# Altium PCB MB1635.PcbDoc (part 2 of 10) (continued)
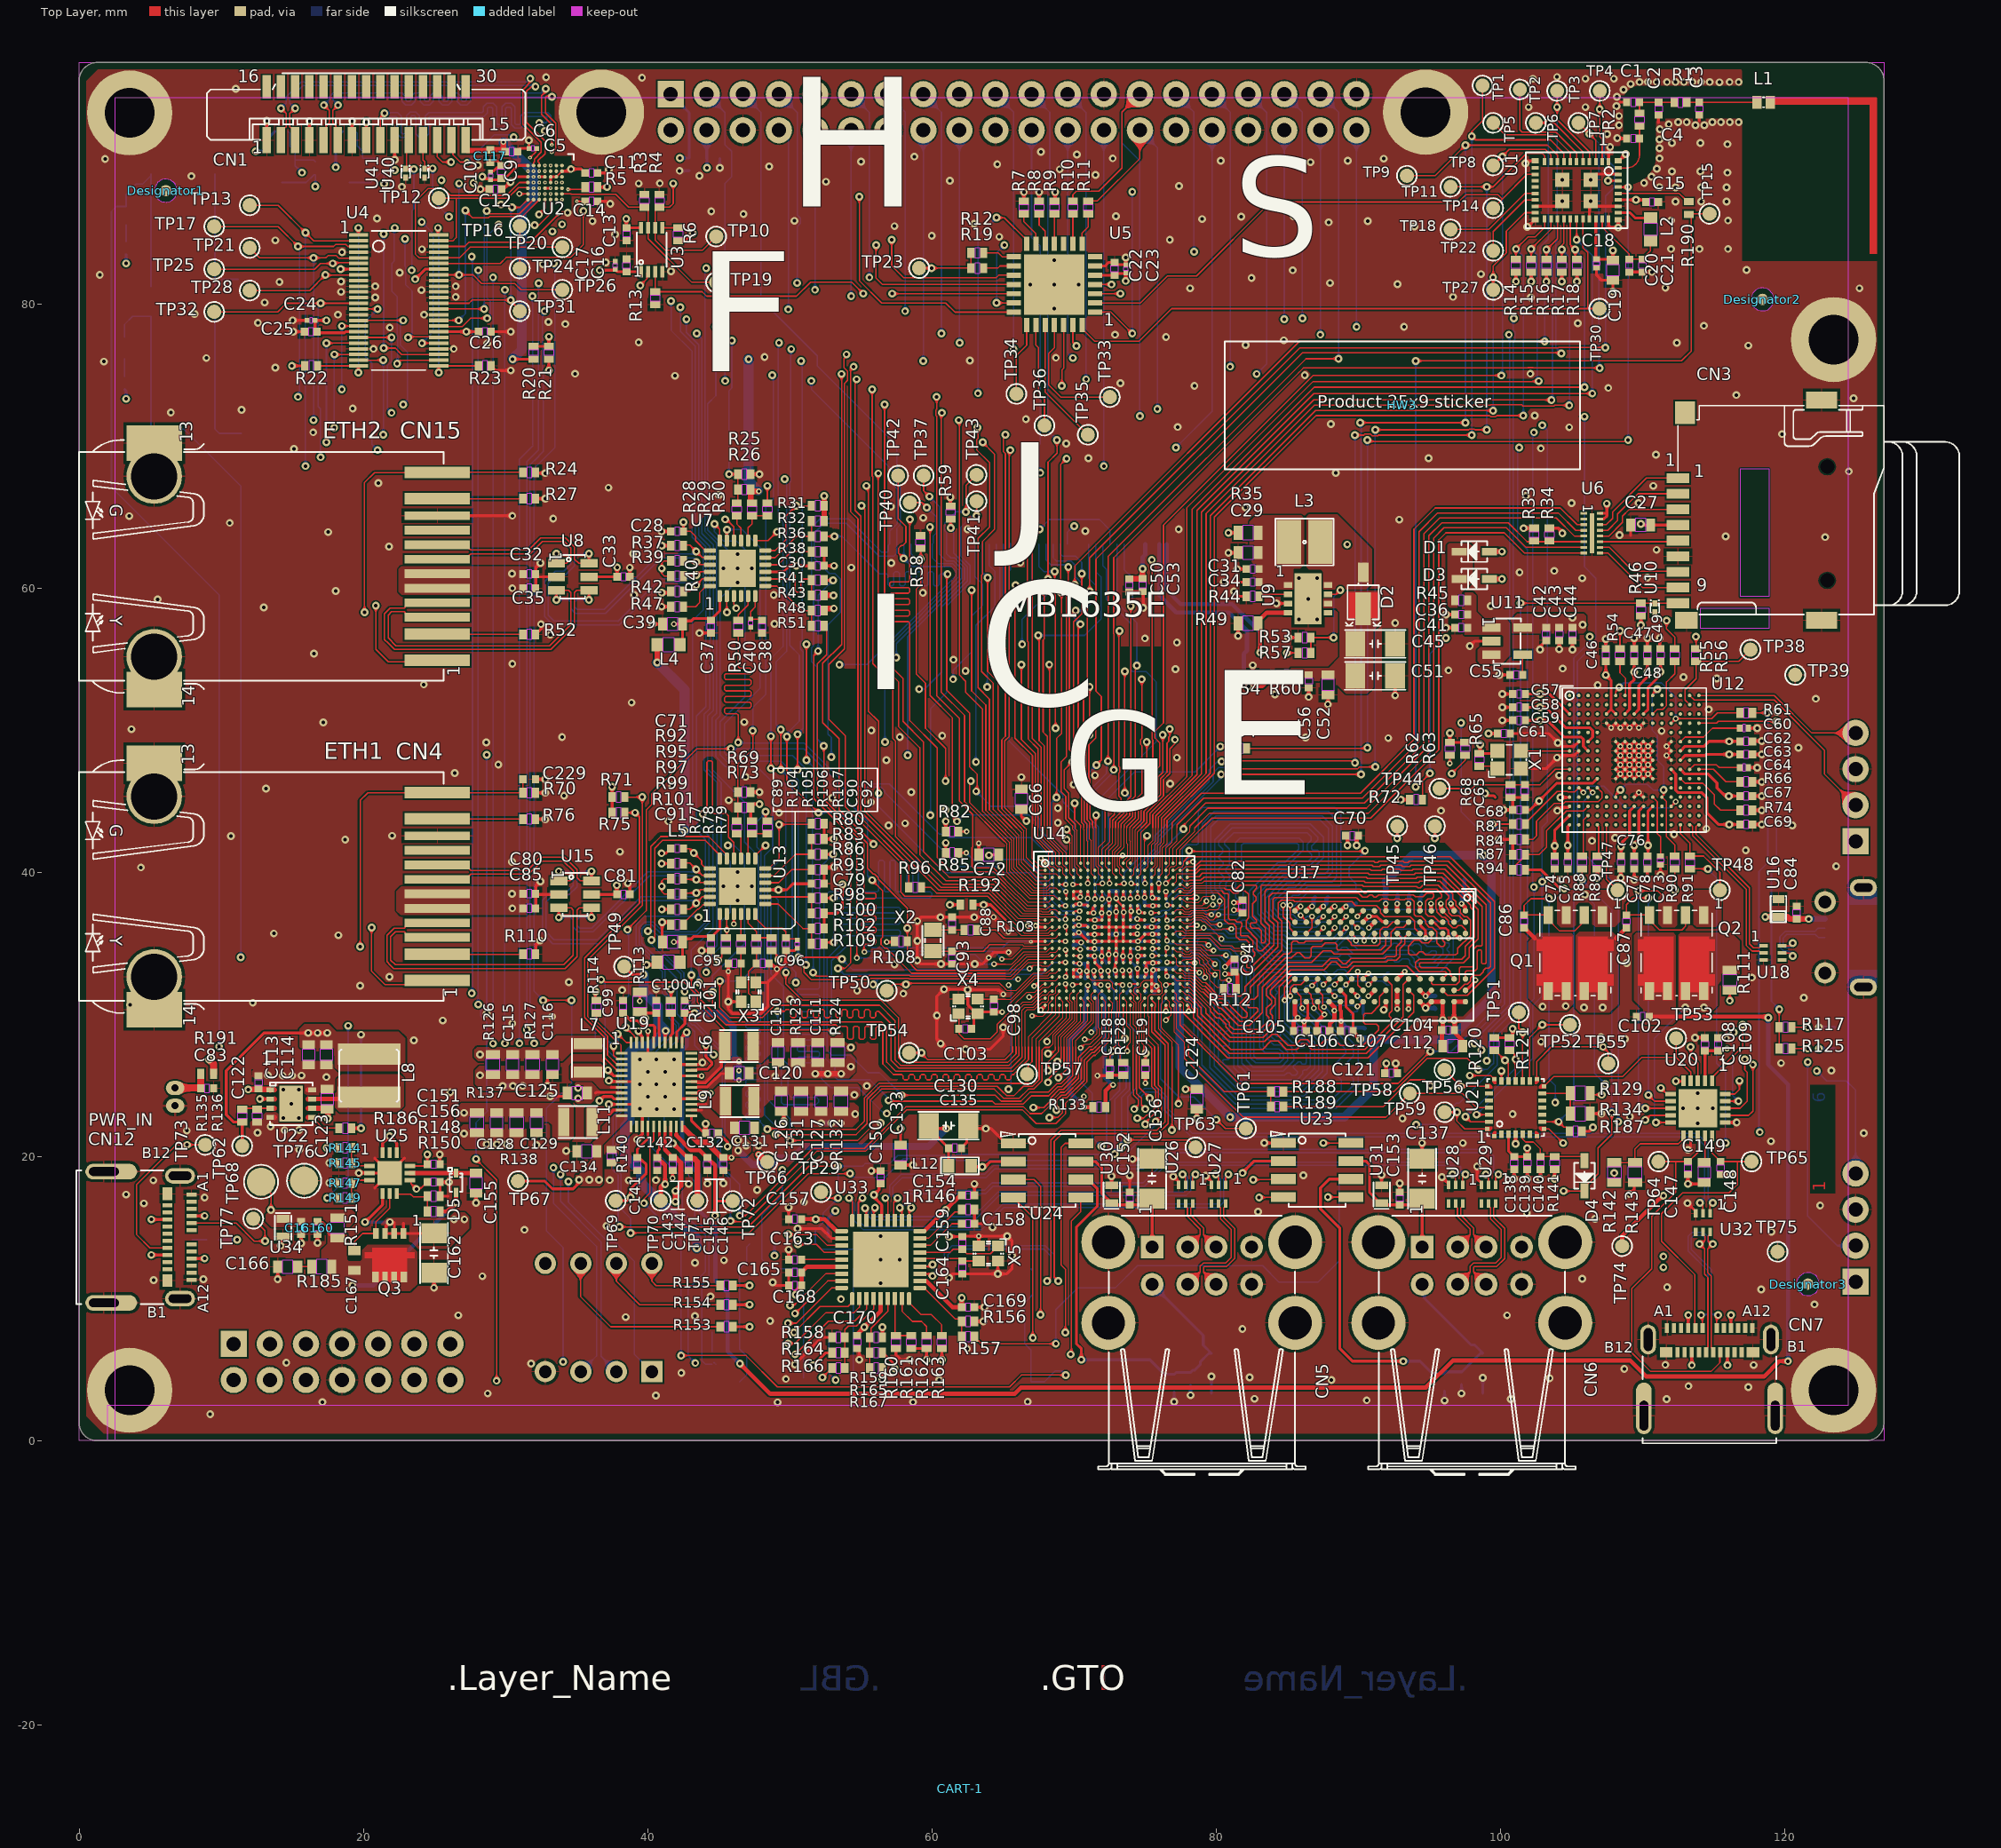
[diagram p0: Top Layer view]
## Footprints (in the part's own frame and the unit in brackets; to place one, negate y for a bottom-side part, rotate by r counter-clockwise, add the part's x,y. Pads: shape width x height; smd on the part's side, far side on the other; paste and mask are expansions set on the pad) (continued)
  silkscreen extent -4.9,-1.9 4.9,1.9, body extent -4.9,-3.2 4.9,3.2, height 1.2
ICC_UFBGA201_176+25_10X10_P065 [mm] "IPC"
  round 0.25 smd mask+0.05: A1(-4.55,4.55) A2(-3.9,4.55) A3(-3.25,4.55) A4(-2.6,4.55) A5(-1.95,4.55) A6(-1.3,4.55) A7(-0.65,4.55) A8(0,4.55) A9(0.65,4.55) A10(1.3,4.55) A11(1.95,4.55) A12(2.6,4.55) A13(3.25,4.55) A14(3.9,4.55) A15(4.55,4.55) B1(-4.55,3.9) B2(-3.9,3.9) B3(-3.25,3.9) B4(-2.6,3.9) B5(-1.95,3.9) B6(-1.3,3.9) B7(-0.65,3.9) B8(0,3.9) B9(0.65,3.9) B10(1.3,3.9) B11(1.95,3.9) B12(2.6,3.9) B13(3.25,3.9) B14(3.9,3.9) B15(4.55,3.9) C1(-4.55,3.25) C2(-3.9,3.25) C3(-3.25,3.25) C4(-2.6,3.25) C5(-1.95,3.25) C6(-1.3,3.25) C7(-0.65,3.25) C8(0,3.25) C9(0.65,3.25) C10(1.3,3.25) C11(1.95,3.25) C12(2.6,3.25) C13(3.25,3.25) C14(3.9,3.25) C15(4.55,3.25) D1(-4.55,2.6) D2(-3.9,2.6) D3(-3.25,2.6) D4(-2.6,2.6) D5(-1.95,2.6) D6(-1.3,2.6) D7(-0.65,2.6) D8(0,2.6) D9(0.65,2.6) D10(1.3,2.6) D11(1.95,2.6) D12(2.6,2.6) D13(3.25,2.6) D14(3.9,2.6) D15(4.55,2.6) E1(-4.55,1.95) E2(-3.9,1.95) E3(-3.25,1.95) E4(-2.6,1.95) E12(2.6,1.95) E13(3.25,1.95) E14(3.9,1.95) E15(4.55,1.95) F1(-4.55,1.3) F2(-3.9,1.3) F3(-3.25,1.3) F4(-2.6,1.3) F6(-1.3,1.3) F7(-0.65,1.3) F8(0,1.3) F9(0.65,1.3) F10(1.3,1.3) F12(2.6,1.3) F13(3.25,1.3) F14(3.9,1.3) F15(4.55,1.3) G1(-4.55,0.65) G2(-3.9,0.65) G3(-3.25,0.65) G4(-2.6,0.65) G6(-1.3,0.65) G7(-0.65,0.65) G8(0,0.65) G9(0.65,0.65) G10(1.3,0.65) G12(2.6,0.65) G13(3.25,0.65) G14(3.9,0.65) G15(4.55,0.65) H1(-4.55,0) H2(-3.9,0) H3(-3.25,0) H4(-2.6,0) H6(-1.3,0) H7(-0.65,0) H8(0,0) H9(0.65,0) H10(1.3,0) H12(2.6,0) H13(3.25,0) H14(3.9,0) H15(4.55,0) J1(-4.55,-0.65) J2(-3.9,-0.65) J3(-3.25,-0.65) J4(-2.6,-0.65) J6(-1.3,-0.65) J7(-0.65,-0.65) J8(0,-0.65) J9(0.65,-0.65) J10(1.3,-0.65) J12(2.6,-0.65) J13(3.25,-0.65) J14(3.9,-0.65) J15(4.55,-0.65) K1(-4.55,-1.3) K2(-3.9,-1.3) K3(-3.25,-1.3) K4(-2.6,-1.3) K6(-1.3,-1.3) K7(-0.65,-1.3) K8(0,-1.3) K9(0.65,-1.3) K10(1.3,-1.3) K12(2.6,-1.3) K13(3.25,-1.3) K14(3.9,-1.3) K15(4.55,-1.3) L1(-4.55,-1.95) L2(-3.9,-1.95) L3(-3.25,-1.95) L4(-2.6,-1.95) L12(2.6,-1.95) L13(3.25,-1.95) L14(3.9,-1.95) L15(4.55,-1.95) M1(-4.55,-2.6) M2(-3.9,-2.6) M3(-3.25,-2.6) M4(-2.6,-2.6) M5(-1.95,-2.6) M6(-1.3,-2.6) M7(-0.65,-2.6) M8(0,-2.6) M9(0.65,-2.6) M10(1.3,-2.6) M11(1.95,-2.6) M12(2.6,-2.6) M13(3.25,-2.6) M14(3.9,-2.6) M15(4.55,-2.6) N1(-4.55,-3.25) N2(-3.9,-3.25) N3(-3.25,-3.25) N4(-2.6,-3.25) N5(-1.95,-3.25) N6(-1.3,-3.25) N7(-0.65,-3.25) N8(0,-3.25) N9(0.65,-3.25) N10(1.3,-3.25) N11(1.95,-3.25) N12(2.6,-3.25) N13(3.25,-3.25) N14(3.9,-3.25) N15(4.55,-3.25) P1(-4.55,-3.9) P2(-3.9,-3.9) P3(-3.25,-3.9) P4(-2.6,-3.9) P5(-1.95,-3.9) P6(-1.3,-3.9) P7(-0.65,-3.9) P8(0,-3.9) P9(0.65,-3.9) P10(1.3,-3.9) P11(1.95,-3.9) P12(2.6,-3.9) P13(3.25,-3.9) P14(3.9,-3.9) P15(4.55,-3.9) R1(-4.55,-4.55) R2(-3.9,-4.55) R3(-3.25,-4.55) R4(-2.6,-4.55) R5(-1.95,-4.55) R6(-1.3,-4.55) R7(-0.65,-4.55) R8(0,-4.55) R9(0.65,-4.55) R10(1.3,-4.55) R11(1.95,-4.55) R12(2.6,-4.55) R13(3.25,-4.55) R14(3.9,-4.55) R15(4.55,-4.55)
  silkscreen extent -5.22,-5.07 5.07,5.23, body extent -5.07,-5.07 5.07,5.07, height 0.61
ICC_UFQFPN28_4X4_P050 [mm] "MCD-02218"
  rect 0.3x0.3 smd mask+0.05: 1(-1.5,-2) 7(1.5,-2) 8(2,-1.5) 14(2,1.5) 15(1.5,2) 21(-1.5,2) 22(-2,1.5) 28(-2,-1.5)
  rect 0.3x0.55 smd mask+0.05: 2(-1,-1.875) 3(-0.5,-1.875) 4(0,-1.875) 5(0.5,-1.875) 6(1,-1.875) 16(1,1.875) 17(0.5,1.875) 18(0,1.875) 19(-0.5,1.875) 20(-1,1.875)
  rect 0.55x0.3 smd mask+0.05: 9(1.875,-1) 10(1.875,-0.5) 11(1.875,0) 12(1.875,0.5) 13(1.875,1) 23(-1.875,1) 24(-1.875,0.5) 25(-1.875,0) 26(-1.875,-0.5) 27(-1.875,-1)
  Top Layer region: -1.35,2.15 -1.35,1.65 -1.5,1.65 -1.65,1.8 -1.65,2.15
  Top Layer region: -2.15,1.35 -1.65,1.35 -1.65,1.5 -1.8,1.65 -2.15,1.65
  Top Layer region: -2.15,-1.35 -1.65,-1.35 -1.65,-1.5 -1.8,-1.65 -2.15,-1.65
  Top Layer region: -1.35,-2.15 -1.35,-1.65 -1.5,-1.65 -1.65,-1.8 -1.65,-2.15
  Top Layer region: 2.15,-1.35 1.65,-1.35 1.65,-1.5 1.8,-1.65 2.15,-1.65
  Top Layer region: 1.35,-2.15 1.35,-1.65 1.5,-1.65 1.65,-1.8 1.65,-2.15
  Top Layer region: 2.15,1.35 1.65,1.35 1.65,1.5 1.8,1.65 2.15,1.65
  Top Layer region: 1.35,2.15 1.35,1.65 1.5,1.65 1.65,1.8 1.65,2.15
  silkscreen extent -2,-2 2,2, body extent -2,-2 2,2, height 0.6
ICC_VFBGA49_3X3_P040 [mm] "MCD-02213"
  round 0.26 smd mask+0.03: A1(-1.2,1.2) A2(-0.8,1.2) A3(-0.4,1.2) A4(0,1.2) A5(0.4,1.2) A6(0.8,1.2) A7(1.2,1.2) B1(-1.2,0.8) B2(-0.8,0.8) B3(-0.4,0.8) B4(0,0.8) B5(0.4,0.8) B6(0.8,0.8) B7(1.2,0.8) C1(-1.2,0.4) C2(-0.8,0.4) C3(-0.4,0.4) C4(0,0.4) C5(0.4,0.4) C6(0.8,0.4) C7(1.2,0.4) D1(-1.2,0) D2(-0.8,0) D3(-0.4,0) D4(0,0) D5(0.4,0) D6(0.8,0) D7(1.2,0) E1(-1.2,-0.4) E2(-0.8,-0.4) E3(-0.4,-0.4) E4(0,-0.4) E5(0.4,-0.4) E6(0.8,-0.4) E7(1.2,-0.4) F1(-1.2,-0.8) F2(-0.8,-0.8) F3(-0.4,-0.8) F4(0,-0.8) F5(0.4,-0.8) F6(0.8,-0.8) F7(1.2,-0.8) G1(-1.2,-1.2) G2(-0.8,-1.2) G3(-0.4,-1.2) G4(0,-1.2) G5(0.4,-1.2) G6(0.8,-1.2) G7(1.2,-1.2)
  body extent -1.5,-1.5 1.5,1.5, height 1.01
ICC_VFBGA96_9x13_P080 [mm]
  round 0.4 smd mask+0.05: A1(-3.2,6) A2(-2.4,6) A3(-1.6,6) A7(1.6,6) A8(2.4,6) A9(3.2,6) B1(-3.2,5.2) B2(-2.4,5.2) B3(-1.6,5.2) B7(1.6,5.2) B8(2.4,5.2) B9(3.2,5.2) C1(-3.2,4.4) C2(-2.4,4.4) C3(-1.6,4.4) C7(1.6,4.4) C8(2.4,4.4) C9(3.2,4.4) D1(-3.2,3.6) D2(-2.4,3.6) D3(-1.6,3.6) D7(1.6,3.6) D8(2.4,3.6) D9(3.2,3.6) E1(-3.2,2.8) E2(-2.4,2.8) E3(-1.6,2.8) E7(1.6,2.8) E8(2.4,2.8) E9(3.2,2.8) F1(-3.2,2) F2(-2.4,2) F3(-1.6,2) F7(1.6,2) F8(2.4,2) F9(3.2,2) G1(-3.2,1.2) G2(-2.4,1.2) G3(-1.6,1.2) G7(1.6,1.2) G8(2.4,1.2) G9(3.2,1.2) H1(-3.2,0.4) H2(-2.4,0.4) H3(-1.6,0.4) H7(1.6,0.4) H8(2.4,0.4) H9(3.2,0.4) J1(-3.2,-0.4) J2(-2.4,-0.4) J3(-1.6,-0.4) J7(1.6,-0.4) J8(2.4,-0.4) J9(3.2,-0.4) K1(-3.2,-1.2) K2(-2.4,-1.2) K3(-1.6,-1.2) K7(1.6,-1.2) K8(2.4,-1.2) K9(3.2,-1.2) L1(-3.2,-2) L2(-2.4,-2) L3(-1.6,-2) L7(1.6,-2) L8(2.4,-2) L9(3.2,-2) M1(-3.2,-2.8) M2(-2.4,-2.8) M3(-1.6,-2.8) M7(1.6,-2.8) M8(2.4,-2.8) M9(3.2,-2.8) N1(-3.2,-3.6) N2(-2.4,-3.6) N3(-1.6,-3.6) N7(1.6,-3.6) N8(2.4,-3.6) N9(3.2,-3.6) P1(-3.2,-4.4) P2(-2.4,-4.4) P3(-1.6,-4.4) P7(1.6,-4.4) P8(2.4,-4.4) P9(3.2,-4.4) R1(-3.2,-5.2) R2(-2.4,-5.2) R3(-1.6,-5.2) R7(1.6,-5.2) R8(2.4,-5.2) R9(3.2,-5.2) T1(-3.2,-6) T2(-2.4,-6) T3(-1.6,-6) T7(1.6,-6) T8(2.4,-6) T9(3.2,-6)
  silkscreen extent -4.72,-6.55 4.55,6.73, body extent -4.55,-6.55 4.55,6.55, height 1
ICC_VFDFPN8-EPAD_3X3_P065 [mm] "MCD-02243"
  rect 0.35x0.55 smd mask+0.05: 1(-0.975,-1.475) 2(-0.325,-1.475) 3(0.325,-1.475) 4(0.975,-1.475) 5(0.975,1.475) 6(0.325,1.475) 7(-0.325,1.475) 8(-0.975,1.475)
  rect 2.55x1.65 smd mask+0.05: 9(0,0)
  Top Layer region: -0.8,-1.2 -0.813,-1.133 -0.851,-1.076 -0.908,-1.038 -0.975,-1.025 -0.975,-1.025 -1.042,-1.038 -1.099,-1.076 -1.137,-1.133 -1.15,-1.2 -1.15,-1.2
  Top Layer region: -0.15,-1.2 -0.163,-1.133 -0.201,-1.076 -0.258,-1.038 -0.325,-1.025 -0.325,-1.025 -0.392,-1.038 -0.449,-1.076 -0.487,-1.133 -0.5,-1.2 -0.5,-1.2
  Top Layer region: 0.5,-1.2 0.487,-1.133 0.449,-1.076 0.392,-1.038 0.325,-1.025 0.325,-1.025 0.258,-1.038 0.201,-1.076 0.163,-1.133 0.15,-1.2 0.15,-1.2
  Top Layer region: 1.15,-1.2 1.137,-1.133 1.099,-1.076 1.042,-1.038 0.975,-1.025 0.975,-1.025 0.908,-1.038 0.851,-1.076 0.813,-1.133 0.8,-1.2 0.8,-1.2
  Top Layer region: 0.8,1.2 0.813,1.133 0.851,1.076 0.908,1.038 0.975,1.025 0.975,1.025 1.042,1.038 1.099,1.076 1.137,1.133 1.15,1.2 1.15,1.2
  Top Layer region: 0.15,1.2 0.163,1.133 0.201,1.076 0.258,1.038 0.325,1.025 0.325,1.025 0.392,1.038 0.449,1.076 0.487,1.133 0.5,1.2 0.5,1.2
  Top Layer region: -0.5,1.2 -0.487,1.133 -0.449,1.076 -0.392,1.038 -0.325,1.025 -0.325,1.025 -0.258,1.038 -0.201,1.076 -0.163,1.133 -0.15,1.2 -0.15,1.2
  Top Layer region: -1.15,1.2 -1.137,1.133 -1.099,1.076 -1.042,1.038 -0.975,1.025 -0.975,1.025 -0.908,1.038 -0.851,1.076 -0.813,1.133 -0.8,1.2 -0.8,1.2
  silkscreen extent -1.5,-1.5 1.5,1.5, body extent -1.5,-1.5 1.5,1.5, height 1
ICC_VQFN24-EPAD_4X4_P050 [mm]
  rrect50% 0.85x0.3 smd mask+0.05: 1(-1.95,1.25) 2(-1.95,0.75) 3(-1.95,0.25) 4(-1.95,-0.25) 5(-1.95,-0.75) 6(-1.95,-1.25) 13(1.95,-1.25) 14(1.95,-0.75) 15(1.95,-0.25) 16(1.95,0.25) 17(1.95,0.75) 18(1.95,1.25)
  rrect50% 0.3x0.85 smd mask+0.05: 7(-1.25,-1.95) 8(-0.75,-1.95) 9(-0.25,-1.95) 10(0.25,-1.95) 11(0.75,-1.95) 12(1.25,-1.95) 19(1.25,1.95) 20(0.75,1.95) 21(0.25,1.95) 22(-0.25,1.95) 23(-0.75,1.95) 24(-1.25,1.95)
  rect 2.6x2.6 smd paste-10 mask+0.05: EP(0,0)
  body extent -2.05,-2.05 2.05,2.05, height 1.1
ICC_VSSOP8_DCU_R-PDSO-G8_2X2P30_P050 [mm]
  rect 0.3x0.8 smd mask+0.05: 1(-0.75,-1.55) 2(-0.25,-1.55) 3(0.25,-1.55) 4(0.75,-1.55) 5(0.75,1.55) 6(0.25,1.55) 7(-0.25,1.55) 8(-0.75,1.55)
  silkscreen extent -1.05,-1.2 1.05,1.2, body extent -1.05,-1.62 1.05,1.62, height 0.9
ICC_WFQFN44-EPAD_5X6_P040 [mm]
  rect 0.8x0.2 smd mask+0.05: 1(-2.45,2.2) 2(-2.45,1.8) 3(-2.45,1.4) 4(-2.45,1) 5(-2.45,0.6) 6(-2.45,0.2) 7(-2.45,-0.2) 8(-2.45,-0.6) 9(-2.45,-1) 10(-2.45,-1.4) 11(-2.45,-1.8) 12(-2.45,-2.2) 23(2.45,-2.2) 24(2.45,-1.8) 25(2.45,-1.4) 26(2.45,-1) 27(2.45,-0.6) 28(2.45,-0.2) 29(2.45,0.2) 30(2.45,0.6) 31(2.45,1) 32(2.45,1.4) 33(2.45,1.8) 34(2.45,2.2)
  rect 0.2x0.8 smd mask+0.05: 13(-1.8,-2.95) 14(-1.4,-2.95) 15(-1,-2.95) 16(-0.6,-2.95) 17(-0.2,-2.95) 18(0.2,-2.95) 19(0.6,-2.95) 20(1,-2.95) 21(1.4,-2.95) 22(1.8,-2.95) 35(1.8,2.95) 36(1.4,2.95) 37(1,2.95) 38(0.6,2.95) 39(0.2,2.95) 40(-0.2,2.95) 41(-0.6,2.95) 42(-1,2.95) 43(-1.4,2.95) 44(-1.8,2.95)
  rect 3.6x4.6 smd paste-1.8 mask+0.05: ep(0,0)
  body extent -2.5,-3 2.5,3, height 0.81
IND_0402_MURATA_LQW15AN2N4C00X [mm]
  rect 0.65x0.9 smd mask+0.05: 1(-0.475,0) 2(0.475,0)
  silkscreen extent -0.05,-0.35 0.05,0.35, body extent -0.55,-0.35 0.55,0.35, height 0.6
IND_2520_TOKO_DFE252012P [mm]
  rect 0.8x2 smd mask+0.05: 1(-1,0) 2(1,0)
  silkscreen extent -1.35,-1.12 1.35,1.12, body extent -1.35,-1.1 1.35,1.1, height 2
IND_4025_WURTH_74404043022A [mm] "MCD-02242"
  rect 1.5x4.4 smd mask+0.05: 1(-1.525,0) 2(1.525,0)
  silkscreen extent -1.84,-2.1 1.84,2.1, body extent -2.1,-2.1 2.1,2.1, height 2.5
L0603 [mm]
  rect 0.8x0.95 smd mask+0.05: 1(-0.8,0) 2(0.8,0)
  Top Layer keep-out region: -0.4,-0.475 0.4,-0.475 0.4,0.475 -0.4,0.475
  body extent -0.87,-0.47 0.87,0.47, height 0.95
L1210_LQH [mm]
  rect 1.7x3.1 smd mask+0.05: 1(-1.1,0) 2(1.1,0)
  silkscreen extent -2.05,-1.65 2.05,1.65, body extent -1.75,-1.35 1.75,1.35, height 2
LCD_DRAWING_ROCKTEK_RK043FN78H-CT661C [mm] "MCD-02422"
  silkscreen extent -52.62,-45 52.88,22.2, body extent -52.62,-45 52.88,22.2, height 4.53
LED_0603_GREEN [mm]
  rect 0.8x0.8 smd mask+0.05: 1(-0.75,0) 2(0.75,0)
  Top Layer keep-out region: -0.35,0.4 0.35,0.4 0.35,-0.4 -0.35,-0.4
  body extent -0.8,-0.4 0.8,0.4, height 0.6
LED_0603_ORANGE_H0P4 [mm]
  rect 0.8x0.8 smd mask+0.05: 1(-0.75,0) 2(0.75,0)
  Top Layer keep-out region: -0.35,0.4 0.35,0.4 0.35,-0.4 -0.35,-0.4
  body extent -0.8,-0.4 0.79,0.4, height 0.4
LED_0603_RED [mm]
  rect 0.8x0.8 smd mask+0.05: 1(-0.75,0) 2(0.75,0)
  Top Layer keep-out region: -0.35,0.4 0.35,0.4 0.35,-0.4 -0.35,-0.4
  body extent -0.8,-0.4 0.8,0.4, height 0.6
LED_0603_SMD-B_BLUE_H0P4 [mm]
  rect 0.6x1 smd mask+0.05: 1(-0.65,0) 2(0.65,0)
  Top Layer keep-out region: -0.35,0.5 0.35,0.5 0.35,-0.5 -0.35,-0.5
  body extent -0.85,-0.45 0.85,0.45, height 0.5
LED_BI-GR_CMD67-22 [mm] "MCD-02629"
  rect 1.1x1.5 smd mask+0.05: 1(-0.75,-1.5) 2(0.75,-1.5) 3(-0.75,1.5) 4(0.75,1.5)
  silkscreen extent -1.5,-1.7 1.7,1.9, body extent -1.5,-1.85 1.5,1.85, height 2.1
MIRE_PLACE_SMD_0P8MM [mm]
  round 0.8 smd paste-10 mask+0.2: 1(0,0)
  Top Layer keep-out circle w0.01: c0,0 r0.804
MOD_WLAN-BT_MURATA_LBEE5KL1DX-883 [mm]
  rect 0.25x0.5 smd mask+0.05: 1(-2.25,-2.025) 2(-1.8,-2.025) 3(-1.35,-2.025) 4(-0.9,-2.025) 5(-0.45,-2.025) 6(0,-2.025) 7(0.45,-2.025) 8(0.9,-2.025) 9(1.35,-2.025) 10(1.8,-2.025) 11(2.25,-2.025) 22(2.25,2.025) 23(1.8,2.025) 24(1.35,2.025) 25(0.9,2.025) 26(0.45,2.025) 27(0,2.025) 28(-0.45,2.025) 29(-0.9,2.025) 30(-1.35,2.025) 31(-1.8,2.025) 32(-2.25,2.025)
  rect 0.5x0.375 smd mask+0.05: 12(2.925,-2.087) 21(2.925,2.087) 33(-2.925,2.087) 42(-2.925,-2.087)
  rect 0.5x0.25 smd mask+0.05: 13(2.925,-1.575) 14(2.925,-1.125) 15(2.925,-0.675) 16(2.925,-0.225) 17(2.925,0.225) 18(2.925,0.675) 19(2.925,1.125) 20(2.925,1.575) 34(-2.925,1.575) 35(-2.925,1.125) 36(-2.925,0.675) 37(-2.925,0.225) 38(-2.925,-0.225) 39(-2.925,-0.675) 40(-2.925,-1.125) 41(-2.925,-1.575)
  rect 1x1 smd mask+0.05: 43(-1,-0.75) 44(1,-0.75) 45(-1,0.75) 46(1,0.75)
  silkscreen extent -3.57,-2.68 3.57,2.68, body extent -3.57,-2.68 3.57,2.68, height 1.11
MOS_POWERFLAT_3P3X3P3_P065 [mm] "MCD-01126"
  rect 0.4x0.75 smd mask+0.05: 1(-0.975,-1.525) 2(-0.325,-1.525) 3(0.325,-1.525) 4(0.975,-1.525) 6(0.325,1.525) 7(-0.325,1.525)
  rect 0.45x0.75 smd mask+0.05: 5(1,1.525) 8(-1,1.525)
  Top Layer region: -1.755,0.2 -1.755,-0.2 -1.225,-0.2 -1.225,-0.5 1.225,-0.5 1.225,-0.2 1.755,-0.2 1.755,0.2 1.225,0.2 1.225,1.9 -1.225,1.9 -1.225,0.2
  body extent -1.75,-1.75 1.75,1.75, height 0.91
MOS_SOT23 [mm]
  rect 1x1.4 smd mask+0.05: 1(-0.95,-1.1) 2(0.95,-1.1) 3(0,1.1)
  silkscreen extent -1.63,-0.82 1.63,0.82, body extent -1.56,-1.25 1.56,1.25, height 1.1
OSC_NDK_NZ2520SB_4P [mm]
  rect 1x1 smd mask+0.05: 1(-0.825,-0.625) 2(0.825,-0.625) 3(0.825,0.625) 4(-0.825,0.625)
  silkscreen extent -1.43,-1.22 1.2,1.05, body extent -1.3,-1.05 1.3,1.05, height 0.91
PowerFLAT_5x6 [mm] "MCD-02152"
  rect 0.65x1.25 smd mask+0.05: 1(1.905,2.675) 2(0.635,2.675) 3(-0.635,2.675) 4(-1.905,2.675) 5(-1.905,-2.675) 6(-0.635,-2.675) 7(0.635,-2.675) 8(1.905,-2.675)
  Top Layer region: -0.2,-3.3 -0.95,-3.3 -0.95,-2.75 -1.575,-2.75 -1.575,-3.3 -2.3,-3.3 -2.3,-2.3 -2.7,-2.3 -2.7,-1.5 -2.3,-1.5 -2.3,0.15 -2.7,0.15 -2.7,0.975 -2.3,0.975 -2.3,1.15 -0.2,1.15
  Top Layer region: 0.2,-3.3 0.95,-3.3 0.95,-2.75 1.575,-2.75 1.575,-3.3 2.3,-3.3 2.3,-2.3 2.7,-2.3 2.7,-1.5 2.3,-1.5 2.3,0.15 2.7,0.15 2.7,0.975 2.3,0.975 2.3,1.15 0.2,1.15
  silkscreen extent -2.5,-3 2.5,3, body extent -2.6,-3.08 2.6,3.07, height 1
R0402#1 [mm]
  rect 0.51x0.7 smd mask+0.05: 1(-0.45,0) 2(0.45,0)
  Top Layer keep-out region: -0.175,-0.35 0.175,-0.35 0.175,0.35 -0.175,0.35
  body extent -0.52,-0.3 0.52,0.3, height 0.4
R0402#2 [mm]
  rect 0.51x0.7 smd mask+0.05: 1(-0.45,0) 2(0.45,0)
  body extent -0.52,-0.3 0.52,0.3, height 0.4
R0603 [mm]
  rect 0.64x1 smd mask+0.05: 1(-0.7,0) 2(0.7,0)
  Top Layer keep-out region: -0.375,-0.5 0.375,-0.5 0.375,0.5 -0.375,0.5
  body extent -0.9,-0.5 0.9,0.5, height 0.56
REG_SOT23-5L [mm]
  rect 0.6x1.3 smd mask+0.05: 1(-0.95,-1.1) 2(0,-1.1) 3(0.95,-1.1) 4(0.95,1.1) 5(-0.95,1.1)
  silkscreen extent -1.6,-0.95 1.6,0.97, body extent -1.52,-1.25 1.52,1.25, height 1.1
Sheetbox_6L2S [mil] "Sheetbox 6 layers / 2 silkscreens"
  round 20 on Mech16: 1(813.5,208.05) 1(2736.63,208.05)
STICKER_BOARD_25X9 [mm] "Sticker to mention board CPN code"
  silkscreen extent -12.5,-4.5 12.5,4.5
STICKER_PRODUCT_25X9 [mm] "Sticker to mention board CPN code"
  silkscreen extent -12.5,-4.5 12.5,4.5
SWI_GRAYHILL-INC_76SB04ST [mm] "MCD-02256"
  rect 1.5x1.5 hole 0.9 mask+0.05: 1(-3.75,-3.81)
  round 1.5 hole 0.9 mask+0.05: 2(-1.25,-3.81) 3(1.25,-3.81) 4(3.75,-3.81) 5(3.75,3.81) 6(1.25,3.81) 7(-1.25,3.81) 8(-3.75,3.81)
  silkscreen extent -6.1,-4.82 6.1,4.82, body extent -6.1,-4.83 6.1,4.82, height 6.9
SWI_KNITTER_TSS644S [mm] "MCD-02417"
  rect 1.55x1.3 smd mask+0.05: 1(-3.975,2.25) 2(3.975,2.25) 3(-3.975,-2.25) 4(3.975,-2.25)
  silkscreen extent -3.1,-3.1 3.1,3.1, body extent -4.5,-3.1 4.5,3.1, height 7.3
TP_SMD_1MM [mm]
  round 1 smd paste-10 mask+0.05: 1(0,0)
  silkscreen extent -0.7,-0.7 0.7,0.7
TP_SMD_2MM [mm]
  round 2 smd paste-10 mask+0.05: 1(0,0)
  silkscreen extent -1.2,-1.2 1.2,1.2

## Part data
B1 B2 B3 B4 B5: library part MCD-02417, "Push Button, NO, 0.05A, 12V, 2.6N, SMD, 9.0x6.2mm, T=7.3mm, changeable caps KTSC-6xx", Manufacturer=KNITTER-SWITCH, Manufacturer_Part_Number=TSS644S, Package=9.0x6.2mm, Component_Country_Of_Origin=China, ComponentLink1URL=http://tunmcdsvn.tun.st.com/Component_Documentation_Library/Trunk/Misc/KNITTER_TSS6x_Series, ID=4523, Internal_Part_Number=MCD-02417, Order_Code_Digikey=N/A, Order_Code_Farnell=N/A, Order_Code_RS=N/A, Part_Preference=Recommended, Part_Type=Misc, ShowFields=YES, Status=Released
C1 C2 C3 C4: library part MCD-00200, "Capacitor, MLCC, 12pF, 50V, NPO, +/-5%, 0402, T=0.5mm", Manufacturer=YAGEO, Manufacturer_Part_Number=CC0402JRNPO9BN120, Package=0402, Component_Country_Of_Origin=China, ComponentLink1URL=http://tunmcdsvn.tun.st.com/Component_Documentation_Library/Trunk/Capacitor/YAGEO_NP0_Series, ID=2667, Internal_Part_Number=MCD-00200, Order_Code_Digikey=311-1016-1-ND, Order_Code_Farnell=2370624, Order_Code_RS=N/A, Part_Preference=Recommended, Part_Type=Capacitor, ShowFields=YES, Status=Checked
C5 C10 C17 C23 C24 C40 C92 C171 C173 C174 C176 C177 C182 C183 C185 C186 C187 C188 C189 C190 C191 C194 C195 C196 C197 C198 C199 C200 C201 C202 C203 C205 C207 C208 C209 C212 C213 C214 C215 C219: library part MCD-02377, "Capacitor, MLCC, 1uF, 6.3V, X5R, +/-20%, 0201, T=0,3mm", Manufacturer=MURATA, Manufacturer_Part_Number=GRM033R60J105MEA2, Package=0201, Component_Country_Of_Origin=Japan, ComponentLink1URL=http://tunmcdsvn.tun.st.com/Component_Documentation_Library/Trunk/Capacitor/MURATA_GRM_Series/GRM033R60J105MEA2/, ID=4483, Internal_Part_Number=MCD-02377, Order_Code_Digikey=490-7229-2-ND, Order_Code_Farnell=2470448, Order_Code_RS=820-0643, Part_Preference=Recommended, Part_Type=Capacitor, ShowFields=YES, Status=Checked
C6 C36 C43 C122 C141 C143 C146 C160: library part MCD-00095, "Capacitor, MLCC, 1uF, 25V, X5R, +/-10%, 0402, T=0.5mm", Manufacturer=MURATA, Manufacturer_Part_Number=GRM155R61E105KA12, Package=0402, Component_Country_Of_Origin=Japan, ComponentLink1URL=http://tunmcdsvn.tun.st.com/Component_Documentation_Library/Trunk/Capacitor/MURATA_GRM_Series, ID=2772, Internal_Part_Number=MCD-00095, Order_Code_Digikey=490-10017-1-ND, Order_Code_Farnell=2218855, Order_Code_RS=846-7287, Part_Preference=Recommended, Part_Type=Capacitor, ShowFields=YES, Status=Released
C7 C8 C9 C11 C12 C13 C15 C16 C22 C25 C26 C28 C30 C31 C32 C33 C35 C37 C41 C44 C46 C47 C48 C49 C53 C57 C58 C59 C61 C62 C63 C65 C67 C68 C69 C70 C71 C74 C75 C76 C77 C78 C79 C80 C81 C82 C83 C85 C89 C94 C102 C104 C105 C106 C107 C108 C118 C119 C121 C135 C138 C150 C152 C153 C154 C157 C158 C163 C165 C169 C170 C178 C179 C180 C181 C210 C218 C220 C226 C227: library part MCD-00006, "Capacitor, MLCC, 100nF, 16V, X7R, +/-10%, 0402, T=0.5mm", Manufacturer=YAGEO, Manufacturer_Part_Number=CC0402KRX7R7BB104, Package=0402, Component_Country_Of_Origin=China, ComponentLink1URL=http://tunmcdsvn.tun.st.com/Component_Documentation_Library/Trunk/Capacitor/YAGEO_X7R_Series, ID=2474, Internal_Part_Number=MCD-00006, Order_Code_Digikey=311-1338-1-ND, Order_Code_Farnell=9402047, Order_Code_RS=616-9701, Part_Preference=Recommended, Part_Type=Capacitor, ShowFields=YES, Status=Released
C14 C34 C54 C55 C117 C140 C223 C228: library part MCD-02198, "Capacitor, MLCC, 10nF, 50V, X7R, +/-10%, 0402, T=0.5mm", Manufacturer=YAGEO, Manufacturer_Part_Number=CC0402KRX7R9BB103, Package=0402, Component_Country_Of_Origin=China, ComponentLink1URL=http://tunmcdsvn.tun.st.com/Component_Documentation_Library/Trunk/Capacitor/YAGEO_X7R_Series, ID=4298, Internal_Part_Number=MCD-02198, Order_Code_Digikey=N/A, Order_Code_Farnell=N/A, Order_Code_RS=6169644, Part_Preference=Recommended, Part_Type=Capacitor, ShowFields=YES, Status=Checked
C18 C60 C64 C73 C216 C217: library part MCD-02235, "Capacitor, MLCC, 2.2uF, 10V, X5R,+/-10%, 0201, T=0.5mm", Manufacturer=MURATA, Manufacturer_Part_Number=GRM033R61A225KE47D, Package=0201, Component_Country_Of_Origin=Japan, ComponentLink1URL=http://tunmcdsvn.tun.st.com/Component_Documentation_Library/Trunk/Capacitor/MURATA_GRM_Series, ID=4335, Internal_Part_Number=MCD-02235, Order_Code_Digikey=490-13227-1-ND, Order_Code_Farnell=NA, Order_Code_RS=NA, Part_Preference=Recommended, Part_Type=Capacitor, ShowFields=YES, Status=Checked